# KiCad board DFTBoard.kicad_pcb (continued)
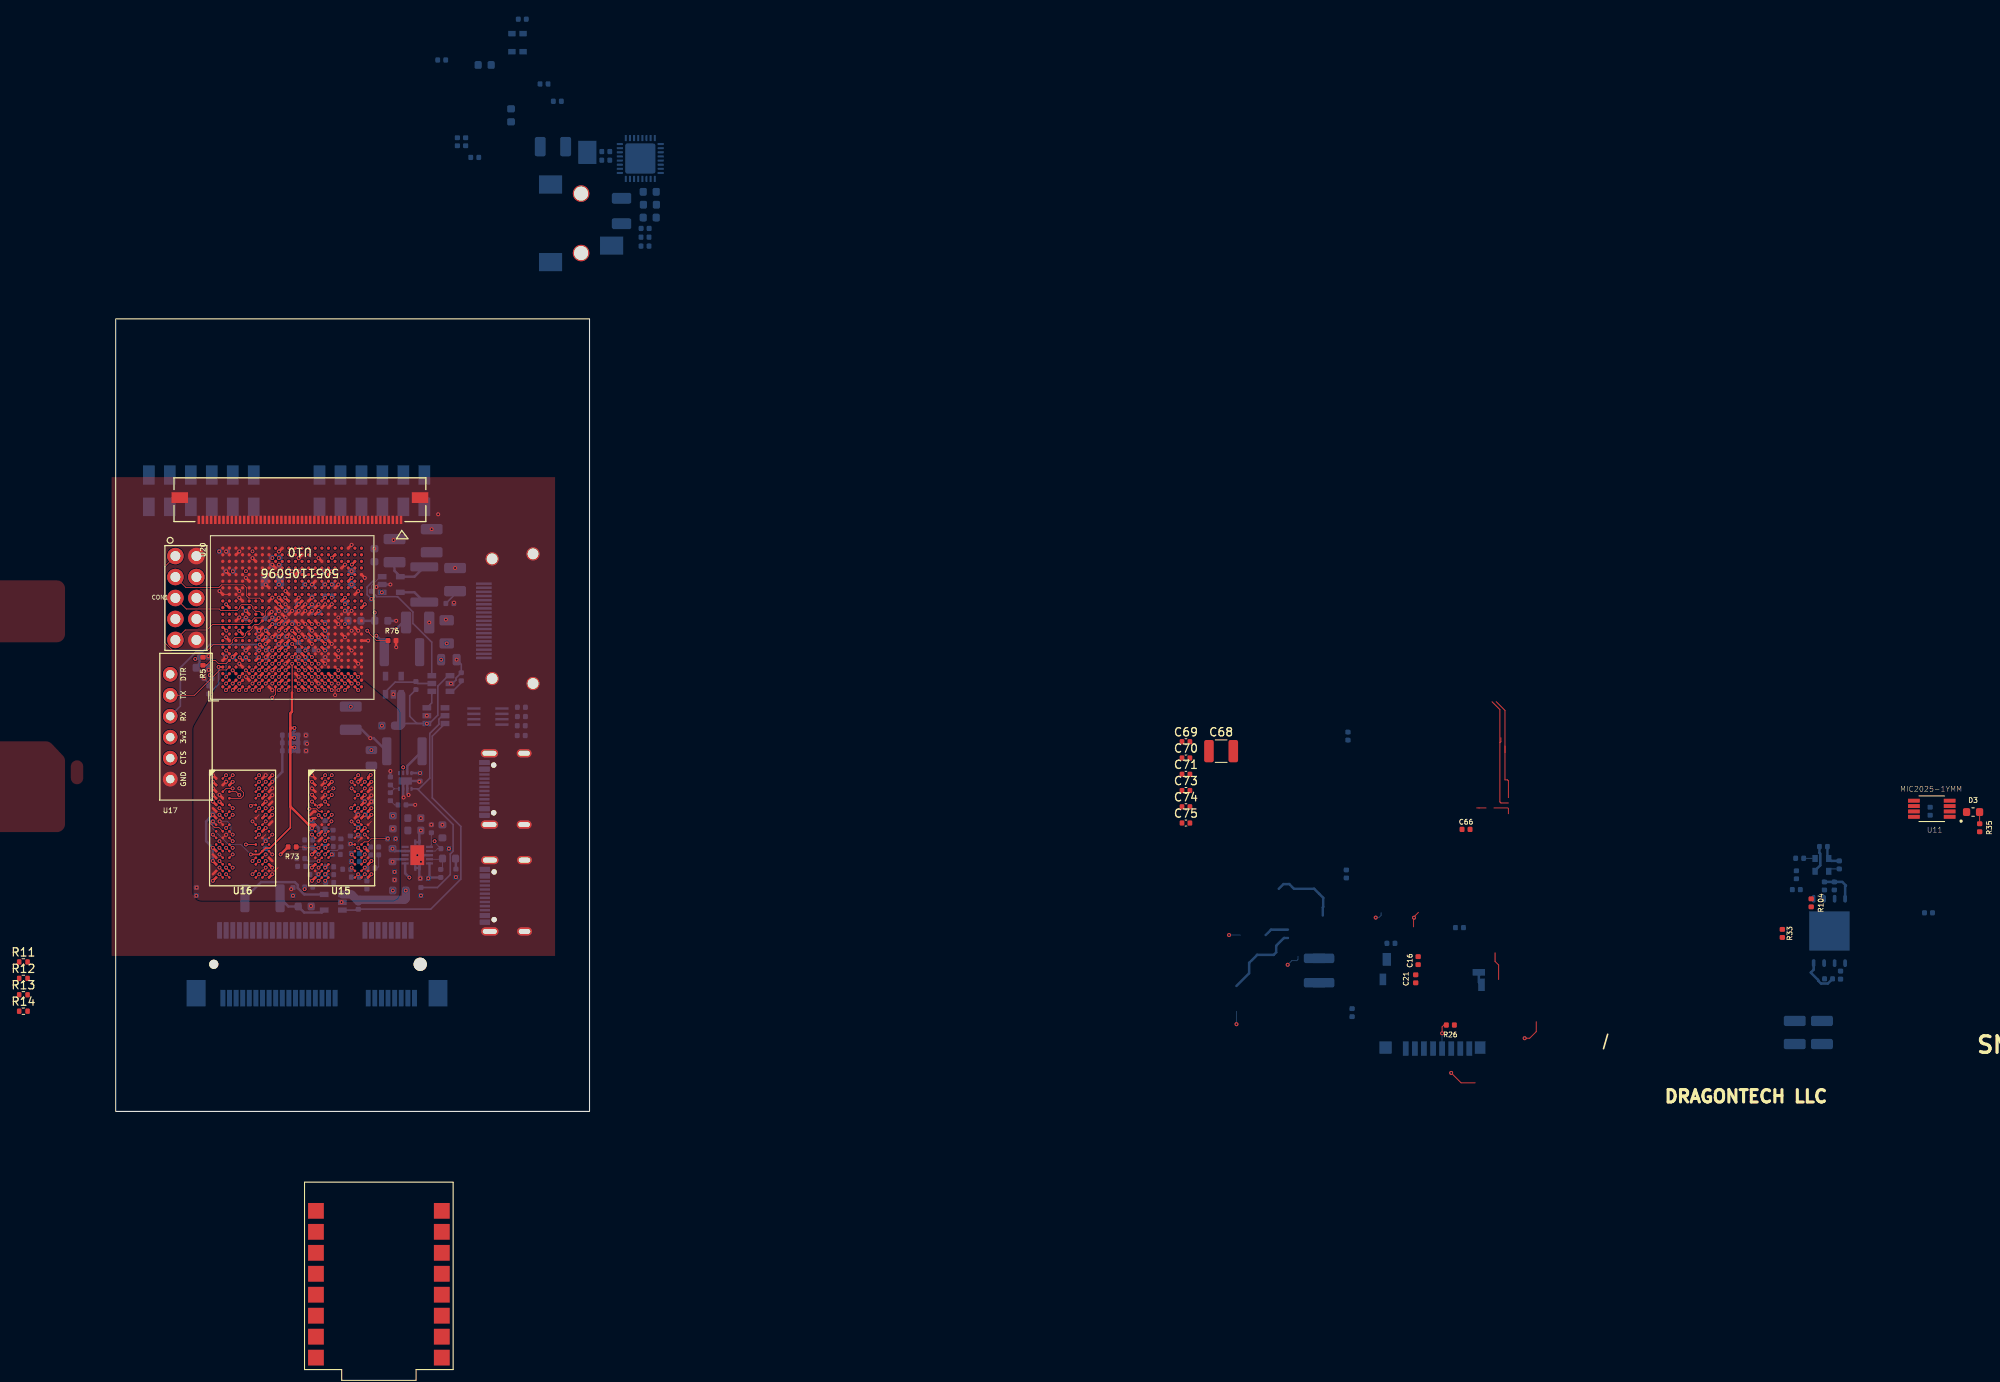
[diagram p0: board, top side]
## Routing (per net, layer and track width the routed paths; a pad name or vN(x,y) marks a point on that pad's centre or on a via; arc(x,y) is an arc through that point) (continued)
  BOTTOM w0.102: R59.1 30.42,28.48 v1(30.17,28.73)
DDR3_A9: length 51
  TOP w0.102: U16.R3 v1(13.37,29.53) ; U15.R3 v1(25.37,28.73)
  TOP w0.13: U20.H5 v1(18.17,54.23)
  Signal1 w0.102: v1(13.37,29.53) 15.27,27.63 21.84,27.63 21.86,27.63 21.89,27.64 21.91,27.65 21.93,27.67 21.94,27.69 21.95,27.72 21.95,27.77 21.96,27.79 21.98,27.82 22,27.83 22.02,27.85 22.04,27.86 22.07,27.86 22.24,27.86 22.26,27.86 22.29,27.85 22.31,27.83 22.33,27.82 22.34,27.79 22.35,27.77 22.35,27.72 22.36,27.69 22.38,27.67 22.4,27.65 22.42,27.64 22.44,27.63 22.47,27.63 22.67,27.63 23.37,28.33 24.97,28.33 v1(25.37,28.73)
  Signal3 w0.102: v1(18.17,54.23) 17.77,53.83 17.77,53.24 17.56,53.03 17.15,53.03 16.97,52.85 16.97,52.4 16.79,52.23 16.29,52.23 15.37,51.3 15.37,50.93 15.36,50.93 15.36,50.84 14.45,49.93 14.04,49.93 10.15,46.03 arc(10.06,45.82) 10.15,45.61 10.25,45.5 arc(10.34,45.29) 10.25,45.08 arc(10.04,44.99) 9.83,45.08 9.32,45.59 arc(9.12,45.67) 8.93,45.59 8.89,45.56 arc(8.81,45.36) 8.89,45.17 arc(8.97,44.97) 8.89,44.78 8.54,44.42 8.54,30.66 10.07,29.13 12.97,29.13 v1(13.37,29.53)
DDR3_A10: length 52
  TOP w0.102: v1(28.44,32.41) 28.53,32.33 U15.L7 ; U16.L7 v1(15.77,32.33)
  TOP w0.13: U20.J3 v1(18.97,52.63)
  Signal1 w0.102: v1(18.97,52.63) 19.37,52.23 19.37,49.02 15.84,45.49 15.84,45.35 15.84,45.31 15.82,45.27 15.8,45.23 15.77,45.2 15.73,45.17 15.69,45.16 15.64,45.15 15.54,45.15 15.5,45.15 15.46,45.13 15.42,45.11 15.39,45.08 15.36,45.04 15.35,45 15.34,44.95 15.35,44.91 15.36,44.87 15.39,44.83 15.42,44.8 15.46,44.77 15.5,44.76 15.54,44.75 16.14,44.75 16.19,44.75 16.23,44.73 16.27,44.71 16.3,44.68 16.32,44.64 16.34,44.6 16.34,44.55 16.34,44.51 16.32,44.47 16.3,44.43 16.27,44.4 16.23,44.37 16.19,44.36 16.14,44.35 15.54,44.35 15.5,44.35 15.46,44.33 15.42,44.31 15.39,44.28 15.36,44.24 15.35,44.2 15.34,44.15 15.35,44.11 15.36,44.07 15.39,44.03 15.42,44 15.46,43.97 15.5,43.96 15.54,43.95 16.14,43.95 16.19,43.95 16.23,43.93 16.27,43.91 16.3,43.88 16.32,43.84 16.34,43.8 16.34,43.75 16.34,43.71 16.32,43.67 16.3,43.63 16.27,43.6 16.23,43.57 16.19,43.56 16.14,43.55 15.54,43.55 15.5,43.55 15.46,43.53 15.42,43.51 15.39,43.48 15.36,43.44 15.35,43.4 15.34,43.35 15.35,43.31 15.36,43.27 15.39,43.23 15.42,43.2 15.46,43.17 15.5,43.16 15.54,43.15 16.14,43.15 16.19,43.15 16.23,43.13 16.27,43.11 16.3,43.08 16.32,43.04 16.34,43 16.34,42.95 16.34,42.91 16.32,42.87 16.3,42.83 16.27,42.8 16.23,42.77 16.19,42.76 16.14,42.75 15.54,42.75 15.5,42.75 15.46,42.73 15.42,42.71 15.39,42.68 15.36,42.64 15.35,42.6 15.34,42.55 15.35,42.51 15.36,42.47 15.39,42.43 15.42,42.4 15.46,42.37 15.5,42.36 15.54,42.35 16.14,42.35 16.19,42.35 16.23,42.33 16.27,42.31 16.3,42.28 16.32,42.24 16.34,42.2 16.34,42.15 16.34,42.11 16.32,42.07 16.3,42.03 16.27,42 16.23,41.97 16.19,41.96 16.14,41.95 15.54,41.95 15.5,41.95 15.46,41.93 15.42,41.91 15.39,41.88 15.36,41.84 15.35,41.8 15.34,41.75 15.35,41.71 15.36,41.67 15.39,41.63 15.42,41.6 15.46,41.57 15.5,41.56 15.54,41.55 16.14,41.55 16.19,41.55 16.23,41.53 16.27,41.51 16.3,41.48 16.32,41.44 16.34,41.4 16.34,41.35 16.34,41.31 16.32,41.27 16.3,41.23 16.27,41.2 16.23,41.17 16.19,41.16 16.14,41.15 15.54,41.15 15.5,41.15 15.46,41.13 15.42,41.11 15.39,41.08 15.36,41.04 15.35,41 15.34,40.95 15.35,40.91 15.36,40.87 15.39,40.83 15.42,40.8 15.46,40.77 15.5,40.76 15.54,40.75 16.14,40.75 16.19,40.75 16.23,40.73 16.27,40.71 16.3,40.68 16.32,40.64 16.34,40.6 16.34,40.55 16.34,40.51 16.32,40.47 16.3,40.43 16.27,40.4 16.23,40.37 16.19,40.36 16.14,40.35 15.54,40.35 15.5,40.35 15.46,40.33 15.42,40.31 15.39,40.28 15.36,40.24 15.35,40.2 15.34,40.15 15.35,40.11 15.36,40.07 15.39,40.03 15.42,40 15.46,39.97 15.5,39.96 15.54,39.95 15.64,39.95 15.69,39.95 15.73,39.93 15.77,39.91 15.8,39.88 15.82,39.84 15.84,39.8 15.84,39.75 15.84,39.2 15.37,38.73 14.77,38.73 14.57,38.53 14.57,37.71 13.77,36.91 13.77,33.35 13.99,33.13 14.37,33.13 15.64,31.85 15.94,31.85 16.02,31.93 16.02,32.08 v1(15.77,32.33)
  Signal3 w0.102: v1(28.44,32.41) 28.1,32.41 28.01,32.33 25.2,32.33 24.96,32.57 24.96,32.91 24.76,33.11 24.2,33.11 24.19,33.1 16.57,33.13 v1(15.77,32.33)
DDR3_A11: length 49.8
  TOP w0.102: U16.R7 v1(16.57,28.73) ; U15.R7 v1(28.57,29.53)
  TOP w0.13: U20.G5 17.38,54.24 v1(17.38,54.23)
  Signal1 w0.102: v1(17.38,54.23) 16.98,53.83 16.98,53.19 16.82,53.03 16.37,53.03 16.17,52.83 16.17,50.28 15.69,49.8 15.66,49.77 15.62,49.76 15.57,49.75 15.53,49.75 15.49,49.76 15.44,49.77 15.41,49.8 15.4,49.81 15.37,49.84 15.33,49.86 15.28,49.87 15.24,49.87 15.19,49.86 15.15,49.84 15.12,49.81 15.09,49.77 15.07,49.73 15.06,49.69 15.06,49.65 15.07,49.6 15.09,49.56 15.12,49.53 15.45,49.19 15.48,49.16 15.5,49.12 15.51,49.08 15.51,49.03 15.5,48.99 15.48,48.95 15.45,48.91 15.42,48.88 15.38,48.86 15.33,48.85 15.29,48.85 15.24,48.86 15.2,48.88 15.17,48.91 14.84,49.24 14.8,49.27 14.76,49.29 14.72,49.3 14.67,49.3 14.63,49.29 14.59,49.27 14.55,49.24 14.53,49.21 14.51,49.17 14.5,49.13 14.5,49.08 14.51,49.04 14.53,49 14.55,48.96 14.56,48.95 14.59,48.92 14.61,48.88 14.62,48.83 14.62,48.79 14.61,48.75 14.59,48.71 14.56,48.67 10.62,44.73 10.62,33.14 10.62,33.13 10.63,33.11 10.64,33.09 10.65,33.08 10.66,33.07 10.68,33.06 10.72,33.06 10.74,33.05 10.75,33.04 10.77,33.03 10.78,33.01 10.78,33 10.78,32.98 10.78,32.74 10.78,32.73 10.78,32.71 10.77,32.69 10.75,32.68 10.74,32.67 10.72,32.66 10.68,32.66 10.66,32.65 10.65,32.64 10.64,32.63 10.63,32.61 10.62,32.6 10.62,32.58 10.62,31.08 10.97,30.73 12.97,30.73 13.37,30.33 14.97,30.33 v1(16.57,28.73)
  Signal3 w0.102: v1(28.57,29.53) 28.17,29.13 27.62,29.13 27.57,29.13 27.53,29.15 27.49,29.17 27.46,29.2 27.44,29.24 27.42,29.28 27.42,29.33 27.42,29.4 27.41,29.45 27.4,29.49 27.37,29.53 27.34,29.56 27.3,29.58 27.26,29.6 27.22,29.6 27.17,29.6 27.13,29.58 27.09,29.56 27.06,29.53 27.04,29.49 27.02,29.45 27.02,29.4 27.02,29.33 27.01,29.28 27,29.24 26.97,29.2 26.94,29.17 26.9,29.15 26.86,29.13 26.82,29.13 U16.R7 v1(16.57,28.73)
DDR3_A12: length 49.8
  TOP w0.102: U16.N7 v1(16.57,30.33) ; v1(28.57,31.13) 28.97,30.73
  TOP w0.13: U20.H4 v1(18.17,53.43)
  Signal1 w0.102: v1(18.17,53.43) 18.57,53.03 18.57,49.73 14.88,46.04 14.85,46 14.83,45.96 14.82,45.92 14.82,45.87 14.83,45.83 14.85,45.79 14.9,45.72 14.92,45.68 14.93,45.63 14.93,45.59 14.92,45.55 14.9,45.51 14.88,45.47 14.84,45.44 14.8,45.42 14.76,45.41 14.71,45.41 14.67,45.42 14.63,45.44 14.59,45.47 14.36,45.7 14.34,45.72 14.32,45.73 14.29,45.74 14.26,45.74 14.23,45.73 14.21,45.72 14.19,45.7 14.08,45.59 14.06,45.57 14.05,45.55 14.05,45.52 14.05,45.49 14.05,45.47 14.06,45.44 14.08,45.42 14.38,45.12 14.41,45.08 14.43,45.04 14.44,45 14.44,44.95 14.43,44.91 14.41,44.87 14.38,44.83 14.35,44.81 14.31,44.79 14.26,44.78 14.22,44.78 14.17,44.79 14.13,44.81 14.1,44.83 13.8,45.14 13.78,45.15 13.75,45.16 13.72,45.17 13.7,45.17 13.67,45.16 13.64,45.15 13.62,45.14 13.52,45.03 13.5,45.01 13.49,44.98 13.48,44.95 13.48,44.93 13.49,44.9 13.5,44.87 13.52,44.85 13.82,44.55 13.84,44.52 13.86,44.48 13.87,44.43 13.87,44.39 13.86,44.34 13.84,44.3 13.82,44.27 13.78,44.24 13.74,44.22 13.7,44.21 13.65,44.21 13.61,44.22 13.57,44.24 13.53,44.27 13.46,44.34 13.43,44.37 13.39,44.39 13.34,44.4 13.3,44.4 13.25,44.39 13.21,44.37 13.18,44.34 12.97,44.13 12.97,43.88 12.96,43.83 12.95,43.79 12.92,43.75 12.89,43.72 12.85,43.7 12.81,43.68 12.77,43.68 12.67,43.68 12.62,43.67 12.58,43.66 12.54,43.63 12.51,43.6 12.49,43.56 12.47,43.52 12.47,43.48 12.47,43.43 12.49,43.39 12.51,43.35 12.54,43.32 12.58,43.3 12.62,43.28 12.67,43.28 13.27,43.28 13.31,43.27 13.35,43.26 13.39,43.23 13.42,43.2 13.45,43.16 13.46,43.12 13.47,43.08 13.46,43.03 13.45,42.99 13.42,42.95 13.39,42.92 13.35,42.9 13.31,42.88 13.27,42.88 12.67,42.88 12.62,42.87 12.58,42.86 12.54,42.83 12.51,42.8 12.49,42.76 12.47,42.72 12.47,42.68 12.47,42.63 12.49,42.59 12.51,42.55 12.54,42.52 12.58,42.5 12.62,42.48 12.67,42.48 13.27,42.48 13.31,42.47 13.35,42.46 13.39,42.43 13.42,42.4 13.45,42.36 13.46,42.32 13.47,42.28 13.46,42.23 13.45,42.19 13.42,42.15 13.39,42.12 13.35,42.1 13.31,42.08 13.27,42.08 12.67,42.08 12.62,42.07 12.58,42.06 12.54,42.03 12.51,42 12.49,41.96 12.47,41.92 12.47,41.88 12.47,41.83 12.49,41.79 12.51,41.75 12.54,41.72 12.58,41.7 12.62,41.68 12.67,41.68 13.27,41.68 13.31,41.67 13.35,41.66 13.39,41.63 13.42,41.6 13.45,41.56 13.46,41.52 13.47,41.48 13.46,41.43 13.45,41.39 13.42,41.35 13.39,41.32 13.35,41.3 13.31,41.28 13.27,41.28 13.17,41.28 13.12,41.27 13.08,41.26 13.04,41.23 13.01,41.2 12.99,41.16 12.97,41.12 12.97,41.08 12.97,33.15 13.79,32.33 14.57,32.33 v1(16.57,30.33)
  Signal2 w0.102: v1(28.57,31.13) 28.16,30.72 24.76,30.72 24.76,30.71 24.37,30.71 24.36,30.73 21.22,30.73 21.17,30.73 21.13,30.75 21.09,30.77 21.06,30.8 21.04,30.84 21.02,30.88 21.02,30.93 21.02,30.99 21.01,31.04 21,31.08 20.97,31.12 20.94,31.15 20.9,31.17 20.86,31.19 20.82,31.19 20.77,31.19 20.73,31.17 20.69,31.15 20.66,31.12 20.64,31.08 20.62,31.04 20.62,30.99 20.62,30.93 20.61,30.88 20.6,30.84 20.57,30.8 20.54,30.77 20.5,30.75 20.46,30.73 20.42,30.73 U16.N7 v1(16.57,30.33)
DDR3_A13: length 46.9
  TOP w0.102: U16.T3 v1(13.37,28.73) ; U15.T3 v1(25.37,27.93)
  TOP w0.13: U20.F4 16.56,53.42 v1(16.56,53.42)
  Signal1 w0.102: v1(16.56,53.42) 16.46,53.42 16.07,53.03 15.52,53.03 15.37,52.88 15.37,50.43 13.89,48.95 13.86,48.93 13.82,48.91 13.78,48.9 13.74,48.9 13.7,48.91 13.66,48.93 13.6,48.98 13.56,49 13.52,49.01 13.48,49.01 13.44,49 13.4,48.98 13.37,48.95 13.35,48.93 13.32,48.9 13.3,48.86 13.3,48.82 13.3,48.78 13.3,48.74 13.32,48.7 13.35,48.67 13.48,48.54 13.47,48.53 13.58,48.42 13.6,48.39 13.62,48.35 13.63,48.32 13.63,48.28 13.62,48.25 13.6,48.22 13.58,48.19 13.52,48.13 13.5,48.11 13.46,48.09 13.43,48.09 13.39,48.09 13.36,48.09 13.33,48.11 13.27,48.15 13.24,48.17 13.2,48.18 13.17,48.18 13.13,48.17 13.1,48.15 13.07,48.13 9.84,44.9 9.84,29.15 10.67,28.33 12.97,28.33 v1(13.37,28.73) 14.78,27.32 24.76,27.32 v1(25.37,27.93)
DDR3_A14: length 49.1
  TOP w0.102: U16.T7 v1(17.37,28.73) ; U15.T7 v1(29.37,28.73)
  TOP w0.13: v1(17.37,53.43) 17.37,53.43 U20.G4
  Signal1 w0.102: v1(17.37,28.73) 16.52,29.58 16.02,29.58 14.87,30.73 13.55,30.73 12.74,31.53 11.58,31.53 11.29,31.82 11.29,32.3 11.3,32.33 11.3,32.35 11.32,32.38 11.34,32.4 11.36,32.41 11.39,32.42 11.41,32.42 11.52,32.42 11.54,32.43 11.57,32.43 11.59,32.45 11.61,32.47 11.62,32.49 11.63,32.52 11.64,32.54 11.64,32.7 11.63,32.73 11.62,32.75 11.61,32.78 11.59,32.8 11.57,32.81 11.54,32.82 11.52,32.82 11.41,32.82 11.39,32.83 11.36,32.83 11.34,32.85 11.32,32.87 11.3,32.89 11.3,32.92 11.29,32.94 11.29,44.15 14.34,47.2 14.36,47.23 14.38,47.27 14.39,47.32 14.39,47.36 14.38,47.4 14.36,47.44 14.34,47.48 14.27,47.55 14.24,47.58 14.22,47.62 14.21,47.66 14.21,47.71 14.22,47.75 14.24,47.79 14.27,47.83 14.3,47.86 14.34,47.88 14.39,47.89 14.43,47.89 14.48,47.88 14.52,47.86 14.55,47.83 14.97,47.41 15,47.38 15.04,47.36 15.09,47.35 15.13,47.35 15.18,47.36 15.22,47.38 15.25,47.41 15.28,47.45 15.3,47.49 15.31,47.53 15.31,47.58 15.3,47.62 15.28,47.66 15.25,47.69 14.83,48.11 14.81,48.15 14.79,48.19 14.78,48.23 14.78,48.28 14.79,48.32 14.81,48.36 14.83,48.39 14.87,48.42 14.91,48.44 14.95,48.45 15,48.45 15.04,48.44 15.08,48.42 15.12,48.39 15.18,48.33 15.22,48.3 15.26,48.28 15.3,48.27 15.35,48.27 15.39,48.28 15.43,48.3 15.47,48.33 16.97,49.83 16.97,52.89 17.37,53.29 v1(17.37,53.43)
  Signal2 w0.102: v1(17.37,28.73) 17.77,29.13 20.57,29.13 20.61,29.13 20.65,29.15 20.69,29.17 20.72,29.2 20.75,29.24 20.76,29.28 20.77,29.33 20.77,29.4 20.77,29.45 20.79,29.49 20.81,29.53 20.84,29.56 20.88,29.58 20.92,29.6 20.97,29.6 21.01,29.6 21.05,29.58 21.09,29.56 21.12,29.53 21.15,29.49 21.16,29.45 21.17,29.4 21.17,29.33 21.17,29.28 21.19,29.24 21.21,29.2 21.24,29.17 21.28,29.15 21.32,29.13 21.37,29.13 28.97,29.13 v1(29.37,28.73)
  BOTTOM w0.102: 29.5,28.59 v1(29.37,28.73)
DDR3_BA0: length 51.1
  TOP w0.102: U16.M2 v1(12.57,31.93) ; U15.M2 24.57,31.13 v1(24.57,31.12)
  TOP w0.13: U20.L7 v1(20.57,55.83)
  Signal3 w0.102: v1(20.57,55.83) 20.97,55.42 20.97,50.85 19.44,49.32 18.26,49.32 17.97,49.03 17.93,49 17.89,48.98 17.85,48.97 17.81,48.97 17.77,48.98 17.73,49 17.66,49.05 17.62,49.07 17.58,49.08 17.53,49.08 17.49,49.07 17.45,49.05 17.42,49.03 17.27,48.88 17.24,48.84 17.22,48.81 17.21,48.76 17.21,48.72 17.22,48.68 17.24,48.64 17.27,48.6 17.41,48.47 17.4,48.46 17.54,48.32 17.57,48.29 17.59,48.25 17.6,48.21 17.6,48.16 17.59,48.12 17.57,48.08 17.54,48.05 17.39,47.9 17.36,47.87 17.32,47.85 17.27,47.84 17.23,47.84 17.19,47.85 17.15,47.87 17.12,47.9 16.84,48.18 16.81,48.2 16.77,48.22 16.72,48.23 16.68,48.23 16.64,48.22 16.6,48.2 16.56,48.18 16.42,48.03 16.39,47.99 16.37,47.95 16.36,47.91 16.36,47.87 16.37,47.82 16.39,47.79 16.42,47.75 16.69,47.48 16.72,47.44 16.74,47.4 16.75,47.36 16.75,47.32 16.74,47.27 16.72,47.23 16.69,47.2 16.54,47.05 16.51,47.02 16.47,47.01 16.43,47 16.38,47 16.34,47.01 16.3,47.02 16.27,47.05 15.99,47.33 15.96,47.35 15.92,47.37 15.88,47.38 15.83,47.38 15.79,47.37 15.75,47.35 15.72,47.33 15.57,47.18 15.54,47.14 15.52,47.1 15.51,47.06 15.51,47.02 15.52,46.98 15.54,46.94 15.57,46.9 15.84,46.63 15.87,46.59 15.89,46.55 15.9,46.51 15.9,46.47 15.89,46.42 15.87,46.39 15.84,46.35 15.69,46.2 15.66,46.18 15.62,46.16 15.58,46.15 15.53,46.15 15.49,46.16 15.45,46.18 15.38,46.23 15.34,46.25 15.3,46.26 15.26,46.26 15.22,46.25 15.18,46.23 15.14,46.2 14.27,45.33 10.08,41.14 10.08,32.27 10.82,31.53 12.17,31.53 v1(12.57,31.93) 13.52,30.98 13.74,30.98 13.99,30.73 19.92,30.73 20.32,30.33 22.42,30.33 22.82,30.73 24.17,30.73 v1(24.57,31.12)
  BOTTOM w0.3: 23.85,31.84 v1(24.57,31.12)
DDR3_BA1: length 49.9
  TOP w0.102: U15.N8 v1(30.17,31.13) ; U16.N8 v1(18.17,31.13)
  TOP w0.13: U20.L6 v1(20.57,55.03)
  Signal1 w0.102: v1(20.57,55.03) 20.71,55.03 21.11,54.63 22.47,54.63 22.57,54.53 22.57,53.98 22.42,53.83 21.92,53.83 21.77,53.68 21.77,48.63 20.94,47.8 20.94,47.65 20.94,47.61 20.92,47.57 20.9,47.53 20.87,47.5 20.83,47.47 20.79,47.46 20.74,47.45 20.67,47.45 20.63,47.45 20.58,47.43 20.55,47.41 20.51,47.38 20.49,47.34 20.47,47.3 20.47,47.25 20.47,47.21 20.49,47.17 20.51,47.13 20.55,47.1 20.58,47.07 20.63,47.06 20.67,47.05 21.22,47.05 21.26,47.05 21.3,47.03 21.34,47.01 21.37,46.98 21.4,46.94 21.41,46.9 21.42,46.85 21.41,46.81 21.4,46.77 21.37,46.73 21.34,46.7 21.3,46.67 21.26,46.66 21.22,46.65 20.67,46.65 20.63,46.65 20.58,46.63 20.55,46.61 20.51,46.58 20.49,46.54 20.47,46.5 20.47,46.45 20.47,46.41 20.49,46.37 20.51,46.33 20.55,46.3 20.58,46.27 20.63,46.26 20.67,46.25 21.22,46.25 21.26,46.25 21.3,46.23 21.34,46.21 21.37,46.18 21.4,46.14 21.41,46.1 21.42,46.05 21.41,46.01 21.4,45.97 21.37,45.93 21.34,45.9 21.3,45.87 21.26,45.86 21.22,45.85 21.14,45.85 21.1,45.85 21.06,45.83 21.02,45.81 20.99,45.78 20.96,45.74 20.95,45.7 20.94,45.65 20.94,38 20.07,37.13 17.17,37.13 16.12,36.08 16.12,34.19 18.17,32.14 v1(18.17,31.13) 18.56,31.52 19.26,31.52 20.07,32.33 24.16,32.33 24.18,32.31 27.96,32.31 28.75,31.52 29.77,31.52 v1(30.17,31.13)
  BOTTOM w0.102: R67.1 30.17,31.31 v1(30.17,31.13)
DDR3_BA2: length 52.2
  TOP w0.102: U16.M3 v1(13.37,31.93) ; U15.M3 v1(25.37,31.13)
  TOP w0.13: U20.M6 v1(21.37,55.03)
  Signal2 w0.102: v1(25.37,31.13) 24.97,31.52 23.06,31.52 22.8,31.78 19.4,31.78 19.14,31.52 13.77,31.52 v1(13.37,31.93)
  Signal3 w0.102: v1(21.37,55.03) 21.77,54.62 21.77,53.98 21.37,53.57 21.37,50.92 19.57,49.12 18.96,49.12 15.64,45.8 15.61,45.77 15.57,45.76 15.52,45.75 15.48,45.75 15.44,45.76 15.39,45.77 15.32,45.83 15.28,45.85 15.24,45.86 15.2,45.86 15.15,45.85 15.11,45.83 15.08,45.8 14.94,45.66 14.91,45.63 14.89,45.59 14.88,45.54 14.88,45.5 14.89,45.45 14.91,45.41 14.94,45.38 15.25,45.06 15.29,45.02 15.31,44.97 15.33,44.91 15.33,44.86 15.31,44.8 15.29,44.75 15.25,44.71 15.18,44.64 15.14,44.6 15.09,44.58 15.03,44.56 14.98,44.56 14.92,44.58 14.87,44.6 14.83,44.64 14.51,44.95 14.48,44.98 14.44,45 14.39,45.01 14.35,45.01 14.3,45 14.26,44.98 14.23,44.95 14.09,44.81 14.06,44.78 14.04,44.74 14.03,44.69 14.03,44.65 14.04,44.61 14.06,44.56 14.09,44.53 14.41,44.21 14.44,44.17 14.46,44.12 14.48,44.06 14.48,44.01 14.46,43.95 14.44,43.9 14.41,43.86 14.33,43.79 14.29,43.75 14.24,43.73 14.19,43.72 14.13,43.72 14.08,43.73 14.02,43.75 13.98,43.79 13.66,44.11 13.63,44.13 13.59,44.15 13.54,44.16 13.5,44.16 13.46,44.15 13.41,44.13 13.38,44.11 13.24,43.96 13.21,43.93 13.19,43.89 13.18,43.84 13.18,43.8 13.19,43.76 13.21,43.72 13.24,43.68 13.56,43.36 13.59,43.32 13.62,43.27 13.63,43.21 13.63,43.16 13.62,43.1 13.59,43.05 13.56,43.01 13.49,42.94 13.44,42.9 13.39,42.88 13.34,42.87 13.28,42.87 13.23,42.88 13.18,42.9 13.13,42.94 12.81,43.26 12.78,43.28 12.74,43.3 12.7,43.31 12.65,43.31 12.61,43.3 12.57,43.28 12.53,43.26 12.39,43.12 12.36,43.08 12.34,43.04 12.33,43 12.33,42.95 12.34,42.91 12.36,42.87 12.42,42.8 12.44,42.76 12.45,42.71 12.45,42.67 12.44,42.63 12.42,42.58 12.39,42.55 11.02,41.18 11.02,36.13 10.32,35.43 10.32,32.68 10.67,32.33 12.97,32.33 v1(13.37,31.93)
  BOTTOM w0.102: v1(25.37,31.13) 25.84,31.6 26.83,31.6 R68.1
DDR3_CAS#: length 51.9
  TOP w0.102: U16.K3 v1(14.17,32.73) ; 25.74,33.13 v1(25.37,32.75)
  TOP w0.13: U20.P3 v1(23.77,52.63)
  Signal2 w0.102: v1(25.37,32.75) 24.94,32.33 24.62,32.33 23.22,32.33 22.92,32.63 22.77,32.63 22.74,32.63 22.71,32.64 22.68,32.66 22.66,32.68 22.65,32.7 22.64,32.73 22.63,32.79 22.62,32.82 22.6,32.85 22.58,32.87 22.56,32.88 22.53,32.89 22.5,32.9 22.37,32.9 22.34,32.89 22.31,32.88 22.28,32.87 22.26,32.85 22.25,32.82 22.24,32.79 22.23,32.73 22.22,32.7 22.2,32.68 22.18,32.66 22.16,32.64 22.13,32.63 22.1,32.63 20.97,32.63 20.92,32.63 20.88,32.65 20.84,32.67 20.81,32.7 20.79,32.74 20.77,32.78 20.76,32.87 20.75,32.91 20.72,32.95 20.69,32.98 20.65,33.01 20.61,33.02 20.57,33.03 20.52,33.02 20.48,33.01 20.44,32.98 20.41,32.95 20.39,32.91 20.37,32.87 20.37,32.83 20.37,32.48 20.36,32.44 20.35,32.41 20.33,32.38 20.31,32.36 20.28,32.34 20.25,32.33 20.22,32.33 20.12,32.33 20.08,32.33 20.05,32.34 20.02,32.36 20,32.38 19.98,32.41 19.97,32.44 19.96,32.51 19.95,32.54 19.93,32.57 19.91,32.59 19.88,32.61 19.85,32.62 19.82,32.63 18.65,32.63 18.36,32.33 16.46,32.33 16.07,32.73 v1(14.17,32.73)
  Signal3 w0.102: v1(23.77,52.63) 24.17,52.23 24.17,49.53 21.52,46.88 21.48,46.84 21.43,46.82 21.37,46.81 21.32,46.81 21.27,46.82 21.22,46.84 21.13,46.91 21.08,46.93 21.03,46.95 20.98,46.95 20.92,46.93 20.87,46.91 20.83,46.88 20.75,46.8 20.72,46.75 20.69,46.7 20.68,46.65 20.68,46.6 20.69,46.54 20.72,46.5 20.75,46.45 20.92,46.28 20.92,46.28 21.09,46.11 21.12,46.06 21.15,46.01 21.16,45.96 21.16,45.91 21.15,45.85 21.12,45.81 21.09,45.76 21.01,45.68 20.96,45.65 20.91,45.62 20.86,45.61 20.81,45.61 20.75,45.62 20.71,45.65 20.66,45.68 20.32,46.02 20.28,46.06 20.23,46.08 20.18,46.09 20.12,46.09 20.07,46.08 20.02,46.06 19.98,46.02 19.9,45.94 19.86,45.9 19.84,45.85 19.83,45.8 19.83,45.74 19.84,45.69 19.86,45.64 19.9,45.6 20.24,45.26 20.27,45.21 20.3,45.17 20.31,45.11 20.31,45.06 20.3,45.01 20.27,44.96 20.24,44.91 20.16,44.83 20.11,44.8 20.07,44.78 20.01,44.76 19.96,44.76 19.91,44.78 19.86,44.8 19.81,44.83 19.47,45.17 19.43,45.21 19.38,45.23 19.33,45.24 19.27,45.24 19.22,45.23 19.17,45.21 19.13,45.17 19.05,45.09 19.01,45.05 18.99,45 18.98,44.95 18.98,44.89 18.99,44.84 19.01,44.79 19.05,44.75 19.39,44.41 19.42,44.37 19.45,44.32 19.46,44.26 19.46,44.21 19.45,44.16 19.42,44.11 19.39,44.07 19.31,43.98 19.27,43.95 19.22,43.93 19.16,43.91 19.11,43.91 19.06,43.93 19.01,43.95 18.97,43.98 18.62,44.33 18.58,44.36 18.53,44.38 18.48,44.4 18.43,44.4 18.37,44.38 18.32,44.36 18.28,44.33 18.2,44.24 18.17,44.2 18.14,44.15 18.13,44.1 18.13,44.05 18.14,43.99 18.17,43.94 18.2,43.9 18.54,43.56 18.58,43.52 18.6,43.47 18.61,43.42 18.61,43.36 18.6,43.31 18.58,43.26 18.54,43.22 18.46,43.14 18.42,43.1 18.37,43.08 18.32,43.07 18.26,43.07 18.21,43.08 18.16,43.1 18.12,43.14 17.78,43.48 17.73,43.51 17.68,43.54 17.63,43.55 17.58,43.55 17.52,43.54 17.48,43.51 17.43,43.48 17.35,43.4 17.32,43.35 17.29,43.3 17.28,43.25 17.28,43.2 17.29,43.14 17.32,43.1 17.35,43.05 17.69,42.71 17.73,42.67 17.75,42.62 17.76,42.57 17.76,42.51 17.75,42.46 17.73,42.41 17.69,42.37 17.61,42.29 17.57,42.25 17.52,42.23 17.47,42.22 17.41,42.22 17.36,42.23 17.31,42.25 17.27,42.29 16.93,42.63 16.88,42.66 16.84,42.69 16.78,42.7 16.73,42.7 16.68,42.69 16.63,42.66 16.58,42.63 16.5,42.55 16.47,42.51 16.45,42.46 16.43,42.4 16.43,42.35 16.45,42.3 16.47,42.25 16.54,42.16 16.56,42.11 16.57,42.06 16.57,42.01 16.56,41.95 16.54,41.9 16.5,41.86 15.68,41.04 15.68,40.72 15.68,40.69 15.69,40.66 15.71,40.63 15.73,40.61 15.76,40.59 15.79,40.58 15.82,40.58 15.96,40.58 15.96,40.57 16.2,40.57 16.26,40.57 16.31,40.55 16.35,40.52 16.39,40.48 16.42,40.43 16.44,40.38 16.45,40.33 16.45,40.21 16.44,40.16 16.42,40.11 16.39,40.06 16.35,40.02 16.31,40 16.26,39.98 16.2,39.97 15.82,39.97 15.79,39.97 15.76,39.96 15.73,39.94 15.71,39.92 15.69,39.89 15.68,39.86 15.68,39.83 15.68,39.51 15.68,39.48 15.69,39.45 15.71,39.42 15.73,39.4 15.76,39.39 15.79,39.37 15.82,39.37 16.2,39.37 16.26,39.37 16.31,39.35 16.35,39.32 16.39,39.28 16.42,39.23 16.44,39.18 16.45,39.13 16.45,39.01 16.44,38.96 16.42,38.91 16.39,38.86 16.35,38.82 16.31,38.8 16.26,38.78 16.2,38.77 15.82,38.77 15.79,38.77 15.76,38.76 15.73,38.74 15.71,38.72 15.69,38.69 15.68,38.66 15.68,38.63 15.68,38.31 15.68,38.28 15.69,38.25 15.71,38.22 15.73,38.2 15.76,38.19 15.79,38.17 15.82,38.17 16.2,38.17 16.26,38.17 16.31,38.15 16.35,38.12 16.39,38.08 16.42,38.03 16.44,37.98 16.45,37.93 16.45,37.81 16.44,37.76 16.42,37.71 16.39,37.66 16.35,37.62 16.31,37.6 16.26,37.58 16.15,37.57 16.1,37.55 16.05,37.52 16.01,37.48 15.99,37.43 15.97,37.38 15.96,37.33 15.96,36.12 13.77,33.93 U16.K3 v1(14.17,32.73)
  BOTTOM w0.102: R70.1 25.71,33.09 v1(25.37,32.75)
DDR3_CK_N: length 48.3
  TOP w0.102: U15.K7 v1(29.37,33.53) ; U16.K7 v1(17.37,33.53)
  TOP w0.13: U20.N5 v1(22.97,54.23)
  Signal1 w0.102: v1(22.97,54.23) 22.97,54.09 22.57,53.69 22.57,50.12 22.56,50.11 22.56,49.03 21.97,48.44 21.97,43.43 21.97,43.42 21.96,43.4 21.95,43.39 21.94,43.37 21.93,43.37 21.91,43.36 21.89,43.36 21.78,43.36 21.72,43.35 21.66,43.33 21.61,43.3 21.57,43.26 21.54,43.21 21.52,43.16 21.52,43.1 21.52,42.82 21.52,42.76 21.54,42.7 21.57,42.65 21.61,42.61 21.66,42.58 21.72,42.56 21.78,42.55 22.42,42.55 22.45,42.55 22.49,42.54 22.51,42.52 22.54,42.5 22.55,42.47 22.57,42.44 22.57,42.41 22.57,42.31 22.57,42.27 22.55,42.24 22.54,42.21 22.51,42.19 22.49,42.17 22.45,42.16 22.42,42.16 21.7,42.16 21.62,42.15 21.55,42.13 21.49,42.09 21.44,42.03 21.4,41.97 21.37,41.9 21.37,41.83 21.37,41.69 21.37,41.61 21.4,41.54 21.44,41.48 21.49,41.43 21.55,41.39 21.62,41.36 21.7,41.35 22.42,41.35 22.45,41.35 22.49,41.34 22.51,41.32 22.54,41.3 22.55,41.27 22.57,41.24 22.57,41.21 22.57,41.11 22.57,41.07 22.55,41.04 22.54,41.01 22.51,40.99 22.49,40.97 22.45,40.96 22.42,40.96 21.7,40.96 21.62,40.95 21.55,40.93 21.49,40.89 21.44,40.83 21.4,40.77 21.37,40.7 21.37,40.63 21.37,40.49 21.37,40.41 21.4,40.34 21.44,40.28 21.49,40.23 21.55,40.19 21.62,40.16 21.7,40.15 22.42,40.15 22.45,40.15 22.49,40.14 22.51,40.12 22.54,40.1 22.55,40.07 22.57,40.04 22.57,40.01 22.57,39.91 22.57,39.87 22.55,39.84 22.54,39.81 22.51,39.79 22.49,39.77 22.45,39.76 22.42,39.76 21.7,39.76 21.62,39.75 21.55,39.73 21.49,39.69 21.44,39.63 21.4,39.57 21.37,39.5 21.37,39.43 21.37,39.29 21.37,39.21 21.4,39.14 21.44,39.08 21.49,39.03 21.55,38.99 21.62,38.96 21.7,38.95 22.42,38.95 22.45,38.95 22.49,38.94 22.51,38.92 22.54,38.9 22.55,38.87 22.57,38.84 22.57,38.81 22.57,38.71 22.57,38.67 22.55,38.64 22.54,38.61 22.51,38.59 22.49,38.57 22.45,38.56 22.42,38.56 22.3,38.56 22.23,38.55 22.16,38.53 22.09,38.49 22.04,38.43 22,38.37 21.98,38.3 21.97,38.23 21.97,36.48 21.82,36.33 17.17,36.33 16.97,36.13 16.97,33.93 v1(17.37,33.53) 17.77,33.93 18.37,33.93 18.94,34.5 19.24,34.5 19.45,34.71 24.77,34.71 25.25,34.23 28.33,34.23 29.03,33.53 v1(29.37,33.53)
DDR3_CK_P: length 46.8
  TOP w0.102: U15.J7 v1(29.37,34.33) ; U16.J7 v1(17.37,34.33)
  TOP w0.13: U20.N4 v1(22.97,53.43)
  Signal1 w0.102: v1(22.97,53.43) 23.37,53.03 23.37,50.63 22.77,50.03 22.77,49.88 23.02,49.63 23.02,49.18 22.17,48.33 22.17,43.42 22.16,43.36 22.15,43.3 22.11,43.25 22.07,43.21 22.02,43.18 21.97,43.16 21.91,43.15 21.79,43.15 21.78,43.15 21.76,43.15 21.75,43.14 21.74,43.13 21.73,43.11 21.72,43.1 21.72,43.08 21.72,42.83 21.72,42.82 21.73,42.8 21.74,42.79 21.75,42.77 21.76,42.77 21.78,42.76 21.79,42.76 22.44,42.76 22.52,42.75 22.59,42.73 22.65,42.69 22.7,42.63 22.74,42.57 22.77,42.5 22.77,42.43 22.77,42.29 22.77,42.21 22.74,42.14 22.7,42.08 22.65,42.03 22.59,41.99 22.52,41.96 22.44,41.95 21.72,41.95 21.68,41.95 21.65,41.94 21.63,41.92 21.6,41.9 21.58,41.87 21.57,41.84 21.57,41.81 21.57,41.71 21.57,41.67 21.58,41.64 21.6,41.61 21.63,41.59 21.65,41.57 21.68,41.56 21.72,41.56 22.44,41.56 22.52,41.55 22.59,41.53 22.65,41.49 22.7,41.43 22.74,41.37 22.77,41.3 22.77,41.23 22.77,41.09 22.77,41.01 22.74,40.94 22.7,40.88 22.65,40.83 22.59,40.79 22.52,40.76 22.44,40.75 21.72,40.75 21.68,40.75 21.65,40.74 21.63,40.72 21.6,40.7 21.58,40.67 21.57,40.64 21.57,40.61 21.57,40.51 21.57,40.47 21.58,40.44 21.6,40.41 21.63,40.39 21.65,40.37 21.68,40.36 21.72,40.36 22.44,40.36 22.52,40.35 22.59,40.33 22.65,40.29 22.7,40.23 22.74,40.17 22.77,40.1 22.77,40.03 22.77,39.89 22.77,39.81 22.74,39.74 22.7,39.68 22.65,39.63 22.59,39.59 22.52,39.56 22.44,39.55 21.72,39.55 21.68,39.55 21.65,39.54 21.63,39.52 21.6,39.5 21.58,39.47 21.57,39.44 21.57,39.41 21.57,39.31 21.57,39.27 21.58,39.24 21.6,39.21 21.63,39.19 21.65,39.17 21.68,39.16 21.72,39.16 22.44,39.16 22.52,39.15 22.59,39.13 22.65,39.09 22.7,39.03 22.74,38.97 22.77,38.9 22.77,38.83 22.77,38.69 22.77,38.61 22.74,38.54 22.7,38.48 22.65,38.43 22.59,38.39 22.52,38.36 22.44,38.35 22.32,38.35 22.29,38.35 22.26,38.34 22.23,38.32 22.2,38.3 22.19,38.27 22.18,38.24 22.17,38.21 22.17,35.68 22.02,35.53 17.57,35.53 17.37,35.33 v1(17.37,34.33) 17.77,34.73 19.17,34.73 19.59,35.15 19.94,35.15 20.17,34.93 24.84,34.93 25.34,34.43 26.87,34.43 27.22,34.78 28.12,34.78 28.57,34.33 v1(29.37,34.33)
